# EAGLE board Mk4 Final Panel 6up 3x2 (EAGLE 9.0.1), part 6 of 18 (continued)
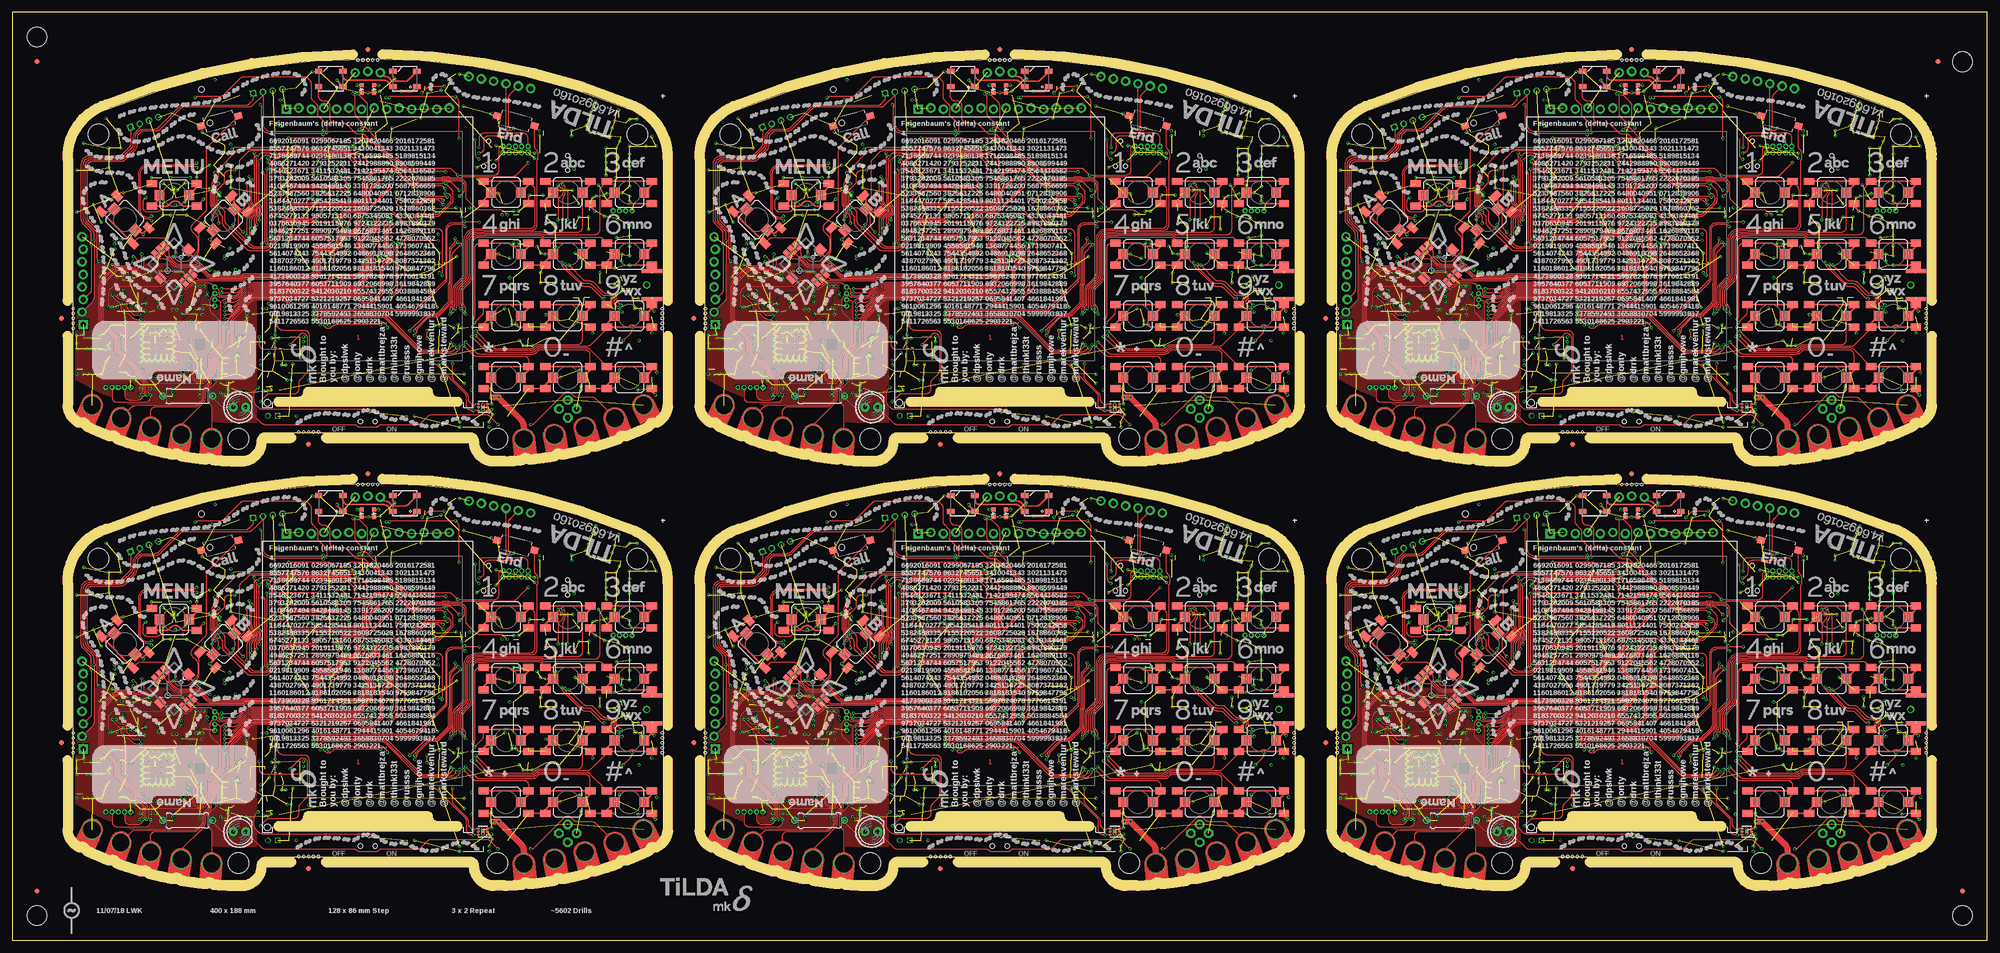
[diagram p0: board, top side]
## Tracks (layer width: path | path; a pad name or v marks a point on that pad's centre or on a via) (continued)
BTN_30  (via drill 0.3)
  Top 0.2: S49.2 115.5,121.7 arc-90 114.5,120.7 106.71,120.7 arc45 106.01,120.41 105.79,120.19 arc-45 105.09,119.9 97.81,119.9 arc-45 97.11,120.19 v93.9,123.4
  Top 0.3: S49.2 117.05,128.05 S49.B2 S49.B1
  Bottom 0.15: IC49.10 93.01,123.75 93.03,123.72 93.16,123.72 arc-45 93.87,123.43 v93.9,123.4
BTN_31  (via drill 0.3)
  Top 0.2: S50.B2 117.05,118.6 arc90 116.05,119.6 107.11,119.6 arc45 106.41,119.31 106.19,119.09 arc-45 105.49,118.8 94.61,118.8 arc-45 93.91,119.09 v91.85,121.15
  Top 0.3: S50.2 117.05,115.55 S50.B2 S50.B1 | S50.B1 107.75,116.25 107.5,116 107.7,116 S50.B1
  Bottom 0.15: IC49.13 91.5,121.5 v91.85,121.15
BTN_32  (via drill 0.3)
  Top 0.2: S52.B1 119.49,142.21 arc45 118.79,142.5 107.58,142.5 arc-45 107.44,142.56 arc45 106.73,142.85 95.89,142.85 95.81,142.78 94.25,142.78 arc90 93,141.53 93,134.97 arc-45 92.41,133.56 91.19,132.34 arc45 90.9,131.63 90.9,129.09 arc45 91.19,128.38 arc-45 91.35,128.01 91.35,127.77 91.3,127.72 v91.3,127.4
  Top 0.3: S52.2 129.55,140.55 S52.B2 S52.B1
  Bottom 0.15: IC49.5 91,126.69 arc-45 v91.29,127.39 v91.3,127.4
BTN_33  (via drill 0.3)
  Top 0.2: v93.8,122.5 96.46,119.84 arc45 97.16,119.55 105.23,119.55 arc45 105.94,119.84 106.1,120.01 arc-45 106.81,120.3 116.39,120.3 arc45 117.09,120.59 120.45,123.95 S53.B2
  Top 0.3: S53.2 120.45,124.95 S53.B2 124.9,124.25 125.25,124.6 125.75,124.6 126.1,124.25 S53.B1
  Bottom 0.15: IC49.11 92.64,123.25 arc-45 93.34,122.96 v93.8,122.5
BTN_34  (via drill 0.3)
  Top 0.2: S54.B1 117.04,119.66 arc45 116.34,119.95 106.95,119.95 arc45 106.25,119.66 106.08,119.49 arc-45 105.38,119.2 96.61,119.2 arc-45 95.91,119.49 v93.05,122.35
  Top 0.3: S54.2 129.26,115.26 arc45 129.55,115.96 S54.B2 S54.B1
  Bottom 0.15: IC49.12 92.65,122.75 v93.05,122.35
BTN_35  (via drill 0.3)
  Top 0.2: S44.B1 94.7,141.25 arc90 93.7,140.25 93.7,126.71 arc-45 93.41,126.01 v93.3,125.9
  Top 0.3: S44.2 104.55,140.55 S44.B2 103.76,141.25 arc45 103.06,140.96 102.89,140.8 arc-45 102.54,140.65 101.46,140.65 arc-45 101.11,140.8 100.94,140.96 arc45 100.24,141.25 S44.B1
  Bottom 0.15: IC49.7 92.65,125.25 v93.3,125.9
BTN_36  (via drill 0.3)
  Top 0.2: v93.63,125.17 95.16,126.7 arc45 95.45,127.4 S45.B1
  Top 0.3: S45.2 104.55,128.05 S45.B2 S45.B1
  Bottom 0.15: IC49.8 92.97,124.75 93.02,124.8 arc45 93.43,124.97 v93.63,125.17
BTN_37  (via drill 0.3)
  Top 0.2: S64.B2 233.61,152.69 arc-45 233.9,151.99 233.9,145.25 arc-90 232.9,144.25 223.31,144.25 223.24,144.18 221.8,144.18 arc90 219.55,141.93 219.55,135.09 arc-45 219.26,134.38 217.62,132.74 arc45 217.32,132.04 217.32,129.31 arc-45 217.03,128.61 216.94,128.52 arc45 216.65,127.81 v216.65,126.85
  Top 0.3: S64.2 232.55,153.05 S64.B2 S64.B1
  Bottom 0.15: IC67.1 217,126.42 arc45 216.94,126.56 v216.65,126.85
BTN_38  (via drill 0.3)
  Top 0.2: S68.2 243.5,144.5 arc-90 242.5,143.5 235.49,143.5 235.44,143.55 223.6,143.55 223.53,143.47 222,143.47 arc90 220.25,141.72 220.25,135.01 arc-45 219.81,133.95 218.39,132.53 arc45 218.1,131.82 218.1,128.81 arc-45 217.81,128.11 v217.7,128
  Top 0.3: S68.2 245.05,153.05 S68.B2 S68.B1
  Bottom 0.15: IC67.3 218,127.29 arc45 v217.71,127.99 v217.7,128
BTN_39  (via drill 0.3)
  Top 0.2: S72.B1 247.29,152.59 arc45 247,151.89 247,144 arc-90 246,143 235.57,143 arc-45 235.43,143.06 235.35,143.14 arc45 235.21,143.2 223.75,143.2 223.67,143.12 222.1,143.12 arc90 220.6,141.62 220.6,134.97 arc-45 220.09,133.73 218.79,132.43 arc45 218.5,131.73 218.5,128.71 arc45 v218.79,128.01 v218.8,128
  Top 0.3: S72.2 257.55,153.05 S72.B2 S72.B1
  Bottom 0.15: IC67.4 218.5,127.29 arc-45 v218.79,127.99 v218.8,128
BTN_40  (via drill 0.3)
  Top 0.2: S67.B2 232.55,117.4 arc90 231.55,118.4 221.91,118.4 arc-45 221.21,118.69 v219.4,120.5
  Top 0.3: S67.2 232.55,115.55 S67.B2 S67.B1
  Bottom 0.15: IC67.14 219,121.31 arc45 219.15,120.95 219.26,120.84 arc-45 v219.4,120.5
BTN_41  (via drill 0.3)
  Top 0.2: S69.B1 235.95,141.55 235.29,142.21 arc45 234.59,142.5 224.03,142.5 223.96,142.43 222.35,142.43 arc90 221.35,141.43 221.35,134.93 arc-45 220.69,133.34 219.59,132.24 arc45 219.3,131.54 219.3,129.19 arc45 219.59,128.48 arc-45 219.85,127.86 v219.85,126.85
  Top 0.3: S69.2 245.05,140.55 S69.B2 S69.B1
  Bottom 0.15: IC67.6 219.5,126.29 arc-45 219.65,126.65 v219.85,126.85
BTN_42  (via drill 0.3)
  Top 0.2: S70.2 243.5,121.7 arc-90 242.5,120.7 234.71,120.7 arc45 234.01,120.41 233.79,120.19 arc-45 233.09,119.9 225.81,119.9 arc-45 225.11,120.19 v221.9,123.4
  Top 0.3: S70.2 245.05,128.05 S70.B2 S70.B1
  Bottom 0.15: IC67.10 221.01,123.75 221.03,123.72 221.16,123.72 arc-45 221.87,123.43 v221.9,123.4
BTN_43  (via drill 0.3)
  Top 0.2: S71.B2 245.05,118.6 arc90 244.05,119.6 235.11,119.6 arc45 234.41,119.31 234.19,119.09 arc-45 233.49,118.8 222.61,118.8 arc-45 221.91,119.09 v219.85,121.15
  Top 0.3: S71.2 245.05,115.55 S71.B2 S71.B1 | S71.B1 235.75,116.25 235.5,116 235.7,116 S71.B1
  Bottom 0.15: IC67.13 219.5,121.5 v219.85,121.15
BTN_44  (via drill 0.3)
  Top 0.2: S73.B1 247.49,142.21 arc45 246.79,142.5 235.58,142.5 arc-45 235.44,142.56 arc45 234.73,142.85 223.89,142.85 223.81,142.78 222.25,142.78 arc90 221,141.53 221,134.97 arc-45 220.41,133.56 219.19,132.34 arc45 218.9,131.63 218.9,129.09 arc45 219.19,128.38 arc-45 219.35,128.01 219.35,127.77 219.3,127.72 v219.3,127.4
  Top 0.3: S73.2 257.55,140.55 S73.B2 S73.B1
  Bottom 0.15: IC67.5 219,126.69 arc-45 v219.29,127.39 v219.3,127.4
BTN_45  (via drill 0.3)
  Top 0.2: v221.8,122.5 224.46,119.84 arc45 225.16,119.55 233.23,119.55 arc45 233.94,119.84 234.1,120.01 arc-45 234.81,120.3 244.39,120.3 arc45 245.09,120.59 248.45,123.95 S74.B2
  Top 0.3: S74.2 248.45,124.95 S74.B2 252.9,124.25 253.25,124.6 253.75,124.6 254.1,124.25 S74.B1
  Bottom 0.15: IC67.11 220.64,123.25 arc-45 221.34,122.96 v221.8,122.5
BTN_46  (via drill 0.3)
  Top 0.2: S75.B1 245.04,119.66 arc45 244.34,119.95 234.95,119.95 arc45 234.25,119.66 234.08,119.49 arc-45 233.38,119.2 224.61,119.2 arc-45 223.91,119.49 v221.05,122.35
  Top 0.3: S75.2 257.26,115.26 arc45 257.55,115.96 S75.B2 S75.B1
  Bottom 0.15: IC67.12 220.65,122.75 v221.05,122.35
BTN_47  (via drill 0.3)
  Top 0.2: S65.B1 222.7,141.25 arc90 221.7,140.25 221.7,126.71 arc-45 221.41,126.01 v221.3,125.9
  Top 0.3: S65.2 232.55,140.55 S65.B2 231.76,141.25 arc45 231.06,140.96 230.9,140.8 arc-45 230.54,140.65 229.46,140.65 arc-45 229.1,140.8 228.94,140.96 arc45 228.24,141.25 S65.B1
  Bottom 0.15: IC67.7 220.65,125.25 v221.3,125.9
BTN_48  (via drill 0.3)
  Top 0.2: v221.63,125.17 223.16,126.7 arc45 223.45,127.4 S66.B1
  Top 0.3: S66.2 232.55,128.05 S66.B2 S66.B1
  Bottom 0.15: IC67.8 220.97,124.75 221.02,124.8 arc45 221.43,124.97 v221.63,125.17
BTN_49  (via drill 0.3)
  Top 0.2: S85.B2 361.61,66.69 arc-45 361.9,65.99 361.9,59.25 arc-90 360.9,58.25 351.31,58.25 351.24,58.17 349.8,58.17 arc90 347.55,55.92 347.55,49.09 arc-45 347.26,48.38 345.62,46.74 arc45 345.32,46.04 345.32,43.31 arc-45 345.03,42.61 344.94,42.52 arc45 344.65,41.81 v344.65,40.85
  Top 0.3: S85.2 360.55,67.05 S85.B2 S85.B1
  Bottom 0.15: IC85.1 345,40.42 arc45 344.94,40.56 v344.65,40.85
BTN_50  (via drill 0.3)
  Top 0.2: S89.2 371.5,58.5 arc-90 370.5,57.5 363.49,57.5 363.44,57.55 351.6,57.55 351.52,57.48 350,57.48 arc90 348.25,55.73 348.25,49.01 arc-45 347.81,47.95 346.39,46.53 arc45 346.1,45.82 346.1,42.81 arc-45 345.81,42.11 v345.7,42
  Top 0.3: S89.2 373.05,67.05 S89.B2 S89.B1
  Bottom 0.15: IC85.3 346,41.29 arc45 v345.71,41.99 v345.7,42
BTN_51  (via drill 0.3)
  Top 0.2: S93.B1 375.29,66.59 arc45 375,65.89 375,58 arc-90 374,57 363.57,57 arc-45 363.43,57.06 363.35,57.14 arc45 363.21,57.2 351.75,57.2 351.67,57.12 350.1,57.12 arc90 348.6,55.62 348.6,48.97 arc-45 348.09,47.73 346.79,46.43 arc45 346.5,45.73 346.5,42.71 arc45 v346.79,42.01 v346.8,42
  Top 0.3: S93.2 385.55,67.05 S93.B2 S93.B1
  Bottom 0.15: IC85.4 346.5,41.29 arc-45 v346.79,41.99 v346.8,42
BTN_52  (via drill 0.3)
  Top 0.2: S88.B2 360.55,31.4 arc90 359.55,32.4 349.91,32.4 arc-45 349.21,32.69 v347.4,34.5
  Top 0.3: S88.2 360.55,29.55 S88.B2 S88.B1
  Bottom 0.15: IC85.14 347,35.31 arc45 347.15,34.95 347.26,34.84 arc-45 v347.4,34.5
BTN_53  (via drill 0.3)
  Top 0.2: S90.B1 363.95,55.55 363.29,56.21 arc45 362.59,56.5 352.03,56.5 351.96,56.42 350.35,56.42 arc90 349.35,55.42 349.35,48.93 arc-45 348.69,47.34 347.59,46.24 arc45 347.3,45.54 347.3,43.19 arc45 347.59,42.48 arc-45 347.85,41.86 v347.85,40.85
  Top 0.3: S90.2 373.05,54.55 S90.B2 S90.B1
  Bottom 0.15: IC85.6 347.5,40.29 arc-45 347.65,40.65 v347.85,40.85
BTN_54  (via drill 0.3)
  Top 0.2: S91.2 371.5,35.7 arc-90 370.5,34.7 362.71,34.7 arc45 362.01,34.41 361.79,34.19 arc-45 361.09,33.9 353.81,33.9 arc-45 353.11,34.19 v349.9,37.4
  Top 0.3: S91.2 373.05,42.05 S91.B2 S91.B1
  Bottom 0.15: IC85.10 349.01,37.75 349.03,37.73 349.16,37.73 arc-45 349.87,37.43 v349.9,37.4
BTN_55  (via drill 0.3)
  Top 0.2: S92.B2 373.05,32.6 arc90 372.05,33.6 363.11,33.6 arc45 362.41,33.31 362.19,33.09 arc-45 361.49,32.8 350.61,32.8 arc-45 349.91,33.09 v347.85,35.15
  Top 0.3: S92.2 373.05,29.55 S92.B2 S92.B1 | S92.B1 363.75,30.25 363.5,30 363.7,30 S92.B1
  Bottom 0.15: IC85.13 347.5,35.5 v347.85,35.15
BTN_56  (via drill 0.3)
  Top 0.2: S94.B1 375.49,56.21 arc45 374.79,56.5 363.58,56.5 arc-45 363.44,56.56 arc45 362.73,56.85 351.89,56.85 351.81,56.77 350.25,56.77 arc90 349,55.52 349,48.97 arc-45 348.41,47.56 347.19,46.34 arc45 346.9,45.63 346.9,43.09 arc45 347.19,42.39 arc-45 347.35,42.01 347.35,41.77 347.3,41.72 v347.3,41.4
  Top 0.3: S94.2 385.55,54.55 S94.B2 S94.B1
  Bottom 0.15: IC85.5 347,40.69 arc-45 v347.29,41.39 v347.3,41.4
BTN_57  (via drill 0.3)
  Top 0.2: v349.8,36.5 352.46,33.84 arc45 353.16,33.55 361.23,33.55 arc45 361.94,33.84 362.1,34.01 arc-45 362.81,34.3 372.39,34.3 arc45 373.09,34.59 376.45,37.95 S95.B2
  Top 0.3: S95.2 376.45,38.95 S95.B2 380.9,38.25 381.25,38.6 381.75,38.6 382.1,38.25 S95.B1
  Bottom 0.15: IC85.11 348.64,37.25 arc-45 349.34,36.96 v349.8,36.5
BTN_58  (via drill 0.3)
  Top 0.2: S96.B1 373.04,33.66 arc45 372.34,33.95 362.95,33.95 arc45 362.25,33.66 362.08,33.49 arc-45 361.38,33.2 352.61,33.2 arc-45 351.91,33.49 v349.05,36.35
  Top 0.3: S96.2 385.26,29.26 arc45 385.55,29.96 S96.B2 S96.B1
  Bottom 0.15: IC85.12 348.65,36.75 v349.05,36.35
BTN_59  (via drill 0.3)
  Top 0.2: S86.B1 350.7,55.25 arc90 349.7,54.25 349.7,40.71 arc-45 349.41,40.01 v349.3,39.9
  Top 0.3: S86.2 360.55,54.55 S86.B2 359.76,55.25 arc45 359.06,54.96 358.89,54.8 arc-45 358.54,54.65 357.46,54.65 arc-45 357.11,54.8 356.94,54.96 arc45 356.24,55.25 S86.B1
  Bottom 0.15: IC85.7 348.65,39.25 v349.3,39.9
BTN_60  (via drill 0.3)
  Top 0.2: v349.63,39.17 351.16,40.7 arc45 351.45,41.4 S87.B1
  Top 0.3: S87.2 360.55,42.05 S87.B2 S87.B1
  Bottom 0.15: IC85.8 348.97,38.75 349.02,38.8 arc45 349.43,38.97 v349.63,39.17
BTN_73  (via drill 0.3)
  Top 0.2: S127.B2 361.61,152.69 arc-45 361.9,151.99 361.9,145.25 arc-90 360.9,144.25 351.31,144.25 351.24,144.18 349.8,144.18 arc90 347.55,141.93 347.55,135.09 arc-45 347.26,134.38 345.62,132.74 arc45 345.32,132.04 345.32,129.31 arc-45 345.03,128.61 344.94,128.52 arc45 344.65,127.81 v344.65,126.85
  Top 0.3: S127.2 360.55,153.05 S127.B2 S127.B1
  Bottom 0.15: IC121.1 345,126.42 arc45 344.94,126.56 v344.65,126.85
BTN_74  (via drill 0.3)
  Top 0.2: S131.2 371.5,144.5 arc-90 370.5,143.5 363.49,143.5 363.44,143.55 351.6,143.55 351.52,143.47 350,143.47 arc90 348.25,141.72 348.25,135.01 arc-45 347.81,133.95 346.39,132.53 arc45 346.1,131.82 346.1,128.81 arc-45 345.81,128.11 v345.7,128
  Top 0.3: S131.2 373.05,153.05 S131.B2 S131.B1
  Bottom 0.15: IC121.3 346,127.29 arc45 v345.71,127.99 v345.7,128
BTN_75  (via drill 0.3)
  Top 0.2: S135.B1 375.29,152.59 arc45 375,151.89 375,144 arc-90 374,143 363.57,143 arc-45 363.43,143.06 363.35,143.14 arc45 363.21,143.2 351.75,143.2 351.67,143.12 350.1,143.12 arc90 348.6,141.62 348.6,134.97 arc-45 348.09,133.73 346.79,132.43 arc45 346.5,131.73 346.5,128.71 arc45 v346.79,128.01 v346.8,128
  Top 0.3: S135.2 385.55,153.05 S135.B2 S135.B1
  Bottom 0.15: IC121.4 346.5,127.29 arc-45 v346.79,127.99 v346.8,128
BTN_76  (via drill 0.3)
  Top 0.2: S130.B2 360.55,117.4 arc90 359.55,118.4 349.91,118.4 arc-45 349.21,118.69 v347.4,120.5
  Top 0.3: S130.2 360.55,115.55 S130.B2 S130.B1
  Bottom 0.15: IC121.14 347,121.31 arc45 347.15,120.95 347.26,120.84 arc-45 v347.4,120.5
BTN_77  (via drill 0.3)
  Top 0.2: S132.B1 363.95,141.55 363.29,142.21 arc45 362.59,142.5 352.03,142.5 351.96,142.43 350.35,142.43 arc90 349.35,141.43 349.35,134.93 arc-45 348.69,133.34 347.59,132.24 arc45 347.3,131.54 347.3,129.19 arc45 347.59,128.48 arc-45 347.85,127.86 v347.85,126.85
  Top 0.3: S132.2 373.05,140.55 S132.B2 S132.B1
  Bottom 0.15: IC121.6 347.5,126.29 arc-45 347.65,126.65 v347.85,126.85
BTN_78  (via drill 0.3)
  Top 0.2: S133.2 371.5,121.7 arc-90 370.5,120.7 362.71,120.7 arc45 362.01,120.41 361.79,120.19 arc-45 361.09,119.9 353.81,119.9 arc-45 353.11,120.19 v349.9,123.4
  Top 0.3: S133.2 373.05,128.05 S133.B2 S133.B1
  Bottom 0.15: IC121.10 349.01,123.75 349.03,123.72 349.16,123.72 arc-45 349.87,123.43 v349.9,123.4
BTN_79  (via drill 0.3)
  Top 0.2: S134.B2 373.05,118.6 arc90 372.05,119.6 363.11,119.6 arc45 362.41,119.31 362.19,119.09 arc-45 361.49,118.8 350.61,118.8 arc-45 349.91,119.09 v347.85,121.15
  Top 0.3: S134.2 373.05,115.55 S134.B2 S134.B1 | S134.B1 363.75,116.25 363.5,116 363.7,116 S134.B1
  Bottom 0.15: IC121.13 347.5,121.5 v347.85,121.15
BTN_80  (via drill 0.3)
  Top 0.2: S136.B1 375.49,142.21 arc45 374.79,142.5 363.58,142.5 arc-45 363.44,142.56 arc45 362.73,142.85 351.89,142.85 351.81,142.78 350.25,142.78 arc90 349,141.53 349,134.97 arc-45 348.41,133.56 347.19,132.34 arc45 346.9,131.63 346.9,129.09 arc45 347.19,128.38 arc-45 347.35,128.01 347.35,127.77 347.3,127.72 v347.3,127.4
  Top 0.3: S136.2 385.55,140.55 S136.B2 S136.B1
  Bottom 0.15: IC121.5 347,126.69 arc-45 v347.29,127.39 v347.3,127.4
BTN_81  (via drill 0.3)
  Top 0.2: v349.8,122.5 352.46,119.84 arc45 353.16,119.55 361.23,119.55 arc45 361.94,119.84 362.1,120.01 arc-45 362.81,120.3 372.39,120.3 arc45 373.09,120.59 376.45,123.95 S137.B2
  Top 0.3: S137.2 376.45,124.95 S137.B2 380.9,124.25 381.25,124.6 381.75,124.6 382.1,124.25 S137.B1
  Bottom 0.15: IC121.11 348.64,123.25 arc-45 349.34,122.96 v349.8,122.5
BTN_82  (via drill 0.3)
  Top 0.2: S138.B1 373.04,119.66 arc45 372.34,119.95 362.95,119.95 arc45 362.25,119.66 362.08,119.49 arc-45 361.38,119.2 352.61,119.2 arc-45 351.91,119.49 v349.05,122.35
  Top 0.3: S138.2 385.26,115.26 arc45 385.55,115.96 S138.B2 S138.B1
  Bottom 0.15: IC121.12 348.65,122.75 v349.05,122.35
BTN_83  (via drill 0.3)
  Top 0.2: S128.B1 350.7,141.25 arc90 349.7,140.25 349.7,126.71 arc-45 349.41,126.01 v349.3,125.9
  Top 0.3: S128.2 360.55,140.55 S128.B2 359.76,141.25 arc45 359.06,140.96 358.89,140.8 arc-45 358.54,140.65 357.46,140.65 arc-45 357.11,140.8 356.94,140.96 arc45 356.24,141.25 S128.B1
  Bottom 0.15: IC121.7 348.65,125.25 v349.3,125.9
BTN_84  (via drill 0.3)
  Top 0.2: v349.63,125.17 351.16,126.7 arc45 351.45,127.4 S129.B1
  Top 0.3: S129.2 360.55,128.05 S129.B2 S129.B1
  Bottom 0.15: IC121.8 348.97,124.75 349.02,124.8 arc45 349.43,124.97 v349.63,125.17
BTN_A  (via drill 0.3)
  Top 0.15: v61,39.4 61.81,40.21 arc-45 62.51,40.5 74.98,40.5 arc-45 75.87,40.13 82.43,33.57 arc45 83.32,33.2 88.69,33.2 arc45 89.39,33.49 v90,34.1 | S13.B1 25.34,56.11 arc-45 26.05,56.4 30.19,56.4 arc-45 30.89,56.11 32.91,54.09 arc-45 33.2,53.39 v33.2,53
  Top 0.3: S13.2 20.18,61.63 S13.B2 S13.B1
  Bottom 0.15: IC4.16 v90,34.1 | v61,39.4 60.81,39.4 arc-45 60.11,39.69 57.99,41.81 arc45 57.11,42.17 56.19,42.17 arc-45 55.31,42.54 51.72,46.13 arc45 50.83,46.5 43.75,46.5 arc-45 43.61,46.56 43.4,46.77 arc45 43.26,46.83 42.72,46.83 arc-45 41.83,47.19 40.09,48.93 arc45 39.21,49.3 36.94,49.3 arc-45 36.23,49.59 35.29,50.53 arc45 34.41,50.9 34.2,50.9 arc-90 33.2,51.9 v33.2,53
BTN_A1  (via drill 0.3)
  Top 0.15: v189,39.4 189.81,40.21 arc-45 190.51,40.5 202.98,40.5 arc-45 203.87,40.13 210.43,33.57 arc45 211.32,33.2 216.69,33.2 arc45 217.39,33.49 v218,34.1 | S35.B1 153.34,56.11 arc-45 154.05,56.4 158.19,56.4 arc-45 158.89,56.11 160.91,54.09 arc-45 161.2,53.39 v161.2,53
  Top 0.3: S35.2 148.18,61.63 S35.B2 S35.B1
  Bottom 0.15: IC31.16 v218,34.1 | v189,39.4 188.81,39.4 arc-45 188.11,39.69 185.99,41.81 arc45 185.11,42.17 184.19,42.17 arc-45 183.31,42.54 179.72,46.13 arc45 178.83,46.5 171.75,46.5 arc-45 171.61,46.56 171.4,46.77 arc45 171.26,46.83 170.72,46.83 arc-45 169.83,47.19 168.09,48.93 arc45 167.21,49.3 164.94,49.3 arc-45 164.23,49.59 163.29,50.53 arc45 162.41,50.9 162.2,50.9 arc-90 161.2,51.9 v161.2,53
BTN_A2  (via drill 0.3)
  Top 0.15: v61,125.4 61.81,126.21 arc-45 62.51,126.5 74.98,126.5 arc-45 75.87,126.13 82.43,119.57 arc45 83.32,119.2 88.69,119.2 arc45 89.39,119.49 v90,120.1 | S56.B1 25.34,142.11 arc-45 26.05,142.4 30.19,142.4 arc-45 30.89,142.11 32.91,140.09 arc-45 33.2,139.39 v33.2,139
  Top 0.3: S56.2 20.18,147.63 S56.B2 S56.B1
  Bottom 0.15: IC49.16 v90,120.1 | v61,125.4 60.81,125.4 arc-45 60.11,125.69 57.99,127.81 arc45 57.11,128.18 56.19,128.18 arc-45 55.31,128.54 51.72,132.13 arc45 50.83,132.5 43.75,132.5 arc-45 43.61,132.56 43.4,132.77 arc45 43.26,132.82 42.72,132.82 arc-45 41.83,133.19 40.09,134.93 arc45 39.21,135.3 36.94,135.3 arc-45 36.23,135.59 35.29,136.53 arc45 34.41,136.9 34.2,136.9 arc-90 33.2,137.9 v33.2,139
BTN_A3  (via drill 0.3)
  Top 0.15: v189,125.4 189.81,126.21 arc-45 190.51,126.5 202.98,126.5 arc-45 203.87,126.13 210.43,119.57 arc45 211.32,119.2 216.69,119.2 arc45 217.39,119.49 v218,120.1 | S77.B1 153.34,142.11 arc-45 154.05,142.4 158.19,142.4 arc-45 158.89,142.11 160.91,140.09 arc-45 161.2,139.39 v161.2,139
  Top 0.3: S77.2 148.18,147.63 S77.B2 S77.B1
  Bottom 0.15: IC67.16 v218,120.1 | v189,125.4 188.81,125.4 arc-45 188.11,125.69 185.99,127.81 arc45 185.11,128.18 184.19,128.18 arc-45 183.31,128.54 179.72,132.13 arc45 178.83,132.5 171.75,132.5 arc-45 171.61,132.56 171.4,132.77 arc45 171.26,132.82 170.72,132.82 arc-45 169.83,133.19 168.09,134.93 arc45 167.21,135.3 164.94,135.3 arc-45 164.23,135.59 163.29,136.53 arc45 162.41,136.9 162.2,136.9 arc-90 161.2,137.9 v161.2,139
BTN_A4  (via drill 0.3)
  Top 0.15: v317,39.4 317.81,40.21 arc-45 318.51,40.5 330.98,40.5 arc-45 331.87,40.13 338.43,33.57 arc45 339.32,33.2 344.69,33.2 arc45 345.39,33.49 v346,34.1 | S98.B1 281.34,56.11 arc-45 282.05,56.4 286.19,56.4 arc-45 286.89,56.11 288.91,54.09 arc-45 289.2,53.39 v289.2,53
  Top 0.3: S98.2 276.18,61.63 S98.B2 S98.B1
  Bottom 0.15: IC85.16 v346,34.1 | v317,39.4 316.81,39.4 arc-45 316.11,39.69 313.99,41.81 arc45 313.11,42.17 312.19,42.17 arc-45 311.31,42.54 307.72,46.13 arc45 306.83,46.5 299.75,46.5 arc-45 299.61,46.56 299.4,46.77 arc45 299.26,46.83 298.72,46.83 arc-45 297.83,47.19 296.09,48.93 arc45 295.21,49.3 292.94,49.3 arc-45 292.23,49.59 291.29,50.53 arc45 290.41,50.9 290.2,50.9 arc-90 289.2,51.9 v289.2,53
BTN_A6  (via drill 0.3)
  Top 0.15: v317,125.4 317.81,126.21 arc-45 318.51,126.5 330.98,126.5 arc-45 331.87,126.13 338.43,119.57 arc45 339.32,119.2 344.69,119.2 arc45 345.39,119.49 v346,120.1 | S140.B1 281.34,142.11 arc-45 282.05,142.4 286.19,142.4 arc-45 286.89,142.11 288.91,140.09 arc-45 289.2,139.39 v289.2,139
  Top 0.3: S140.2 276.18,147.63 S140.B2 S140.B1
  Bottom 0.15: IC121.16 v346,120.1 | v317,125.4 316.81,125.4 arc-45 316.11,125.69 313.99,127.81 arc45 313.11,128.18 312.19,128.18 arc-45 311.31,128.54 307.72,132.13 arc45 306.83,132.5 299.75,132.5 arc-45 299.61,132.56 299.4,132.77 arc45 299.26,132.82 298.72,132.82 arc-45 297.83,133.19 296.09,134.93 arc45 295.21,135.3 292.94,135.3 arc-45 292.23,135.59 291.29,136.53 arc45 290.41,136.9 290.2,136.9 arc-90 289.2,137.9 v289.2,139
BTN_B  (via drill 0.3)
  Top 0.15: v89.4,34.6 88.59,33.79 arc-45 87.89,33.5 83.41,33.5 arc-45 82.71,33.79 76.09,40.41 arc45 75.03,40.85 62.06,40.85 arc45 61.36,40.56 v61,40.2 | S15.B2 43.52,63.9 v42,63.9 | v39,59.5 arc-45 38.92,59.3 S15.B1 37.8,58.18 37.8,53.82 arc-45 37.43,52.93 36.86,52.36 arc90 36.86,51.65 37.41,51.1 arc45 37.77,50.95 38.14,50.95 arc-45 38.5,50.8 39.21,50.09 arc45 39.91,49.8 v40,49.8
  Top 0.3: S15.2 44.92,64.31 S15.B2
  Bottom 0.15: IC4.17 89.5,34.7 v89.4,34.6 | v61,40.2 60.44,40.2 arc-45 59.73,40.49 58.19,42.04 arc45 57.13,42.48 56.22,42.48 arc-45 55.51,42.77 51.91,46.36 arc45 50.85,46.8 43.87,46.8 arc-45 43.73,46.86 43.52,47.07 arc45 43.38,47.12 42.79,47.12 arc-45 42.08,47.42 40.15,49.35 arc-45 40,49.71 v40,49.8 | v42,63.9 39.29,61.19 arc45 39,60.49 v39,59.5
BTN_B1  (via drill 0.3)
  Top 0.15: v217.4,34.6 216.59,33.79 arc-45 215.89,33.5 211.41,33.5 arc-45 210.71,33.79 204.09,40.41 arc45 203.03,40.85 190.06,40.85 arc45 189.36,40.56 v189,40.2 | S34.B2 171.52,63.9 v170,63.9 | v167,59.5 arc-45 166.92,59.3 S34.B1 165.8,58.18 165.8,53.82 arc-45 165.43,52.93 164.86,52.36 arc90 164.86,51.65 165.41,51.1 arc45 165.76,50.95 166.14,50.95 arc-45 166.5,50.8 167.21,50.09 arc45 167.91,49.8 v168,49.8
  Top 0.3: S34.2 172.92,64.31 S34.B2
  Bottom 0.15: IC31.17 217.5,34.7 v217.4,34.6 | v189,40.2 188.44,40.2 arc-45 187.73,40.49 186.19,42.04 arc45 185.13,42.48 184.22,42.48 arc-45 183.51,42.77 179.92,46.36 arc45 178.85,46.8 171.87,46.8 arc-45 171.73,46.86 171.53,47.07 arc45 171.38,47.12 170.79,47.12 arc-45 170.08,47.42 168.15,49.35 arc-45 168,49.71 v168,49.8 | v170,63.9 167.29,61.19 arc45 167,60.49 v167,59.5
BTN_B2  (via drill 0.3)
  Top 0.15: v89.4,120.6 88.59,119.79 arc-45 87.89,119.5 83.41,119.5 arc-45 82.71,119.79 76.09,126.41 arc45 75.03,126.85 62.06,126.85 arc45 61.36,126.56 v61,126.2 | S55.B2 43.52,149.9 v42,149.9 | v39,145.5 arc-45 38.92,145.3 S55.B1 37.8,144.18 37.8,139.82 arc-45 37.43,138.93 36.86,138.36 arc90 36.86,137.65 37.41,137.1 arc45 37.77,136.95 38.14,136.95 arc-45 38.5,136.8 39.21,136.09 arc45 39.91,135.8 v40,135.8
  Top 0.3: S55.2 44.92,150.31 S55.B2
  Bottom 0.15: IC49.17 89.5,120.7 v89.4,120.6 | v61,126.2 60.44,126.2 arc-45 59.73,126.49 58.19,128.04 arc45 57.13,128.47 56.22,128.47 arc-45 55.51,128.77 51.91,132.36 arc45 50.85,132.8 43.87,132.8 arc-45 43.73,132.86 43.52,133.07 arc45 43.38,133.12 42.79,133.12 arc-45 42.08,133.42 40.15,135.35 arc-45 40,135.71 v40,135.8 | v42,149.9 39.29,147.19 arc45 39,146.49 v39,145.5
BTN_B3  (via drill 0.3)
  Top 0.15: v217.4,120.6 216.59,119.79 arc-45 215.89,119.5 211.41,119.5 arc-45 210.71,119.79 204.09,126.41 arc45 203.03,126.85 190.06,126.85 arc45 189.36,126.56 v189,126.2 | S76.B2 171.52,149.9 v170,149.9 | v167,145.5 arc-45 166.92,145.3 S76.B1 165.8,144.18 165.8,139.82 arc-45 165.43,138.93 164.86,138.36 arc90 164.86,137.65 165.41,137.1 arc45 165.76,136.95 166.14,136.95 arc-45 166.5,136.8 167.21,136.09 arc45 167.91,135.8 v168,135.8
  Top 0.3: S76.2 172.92,150.31 S76.B2
  Bottom 0.15: IC67.17 217.5,120.7 v217.4,120.6 | v189,126.2 188.44,126.2 arc-45 187.73,126.49 186.19,128.04 arc45 185.13,128.47 184.22,128.47 arc-45 183.51,128.77 179.92,132.36 arc45 178.85,132.8 171.87,132.8 arc-45 171.73,132.86 171.53,133.07 arc45 171.38,133.12 170.79,133.12 arc-45 170.08,133.42 168.15,135.35 arc-45 168,135.71 v168,135.8 | v170,149.9 167.29,147.19 arc45 167,146.49 v167,145.5
BTN_B4  (via drill 0.3)
  Top 0.15: v345.4,34.6 344.59,33.79 arc-45 343.89,33.5 339.41,33.5 arc-45 338.71,33.79 332.09,40.41 arc45 331.03,40.85 318.06,40.85 arc45 317.36,40.56 v317,40.2 | S97.B2 299.52,63.9 v298,63.9 | v295,59.5 arc-45 294.92,59.3 S97.B1 293.8,58.18 293.8,53.82 arc-45 293.43,52.93 292.86,52.36 arc90 292.86,51.65 293.41,51.1 arc45 293.76,50.95 294.14,50.95 arc-45 294.5,50.8 295.21,50.09 arc45 295.91,49.8 v296,49.8
  Top 0.3: S97.2 300.92,64.31 S97.B2
  Bottom 0.15: IC85.17 345.5,34.7 v345.4,34.6 | v317,40.2 316.44,40.2 arc-45 315.73,40.49 314.19,42.04 arc45 313.13,42.48 312.22,42.48 arc-45 311.51,42.77 307.91,46.36 arc45 306.85,46.8 299.87,46.8 arc-45 299.73,46.86 299.52,47.07 arc45 299.38,47.12 298.79,47.12 arc-45 298.08,47.42 296.15,49.35 arc-45 296,49.71 v296,49.8 | v298,63.9 295.29,61.19 arc45 295,60.49 v295,59.5
BTN_B6  (via drill 0.3)
  Top 0.15: v345.4,120.6 344.59,119.79 arc-45 343.89,119.5 339.41,119.5 arc-45 338.71,119.79 332.09,126.41 arc45 331.03,126.85 318.06,126.85 arc45 317.36,126.56 v317,126.2 | S139.B2 299.52,149.9 v298,149.9 | v295,145.5 arc-45 294.92,145.3 S139.B1 293.8,144.18 293.8,139.82 arc-45 293.43,138.93 292.86,138.36 arc90 292.86,137.65 293.41,137.1 arc45 293.76,136.95 294.14,136.95 arc-45 294.5,136.8 295.21,136.09 arc45 295.91,135.8 v296,135.8
  Top 0.3: S139.2 300.92,150.31 S139.B2
  Bottom 0.15: IC121.17 345.5,120.7 v345.4,120.6 | v317,126.2 316.44,126.2 arc-45 315.73,126.49 314.19,128.04 arc45 313.13,128.47 312.22,128.47 arc-45 311.51,128.77 307.91,132.36 arc45 306.85,132.8 299.87,132.8 arc-45 299.73,132.86 299.52,133.07 arc45 299.38,133.12 298.79,133.12 arc-45 298.08,133.42 296.15,135.35 arc-45 296,135.71 v296,135.8 | v298,149.9 295.29,147.19 arc45 295,146.49 v295,145.5
BTN_CALL  (via drill 0.3)